# Altium PCB Controller_4Layers.PcbDoc (part 1 of 2) (continued)
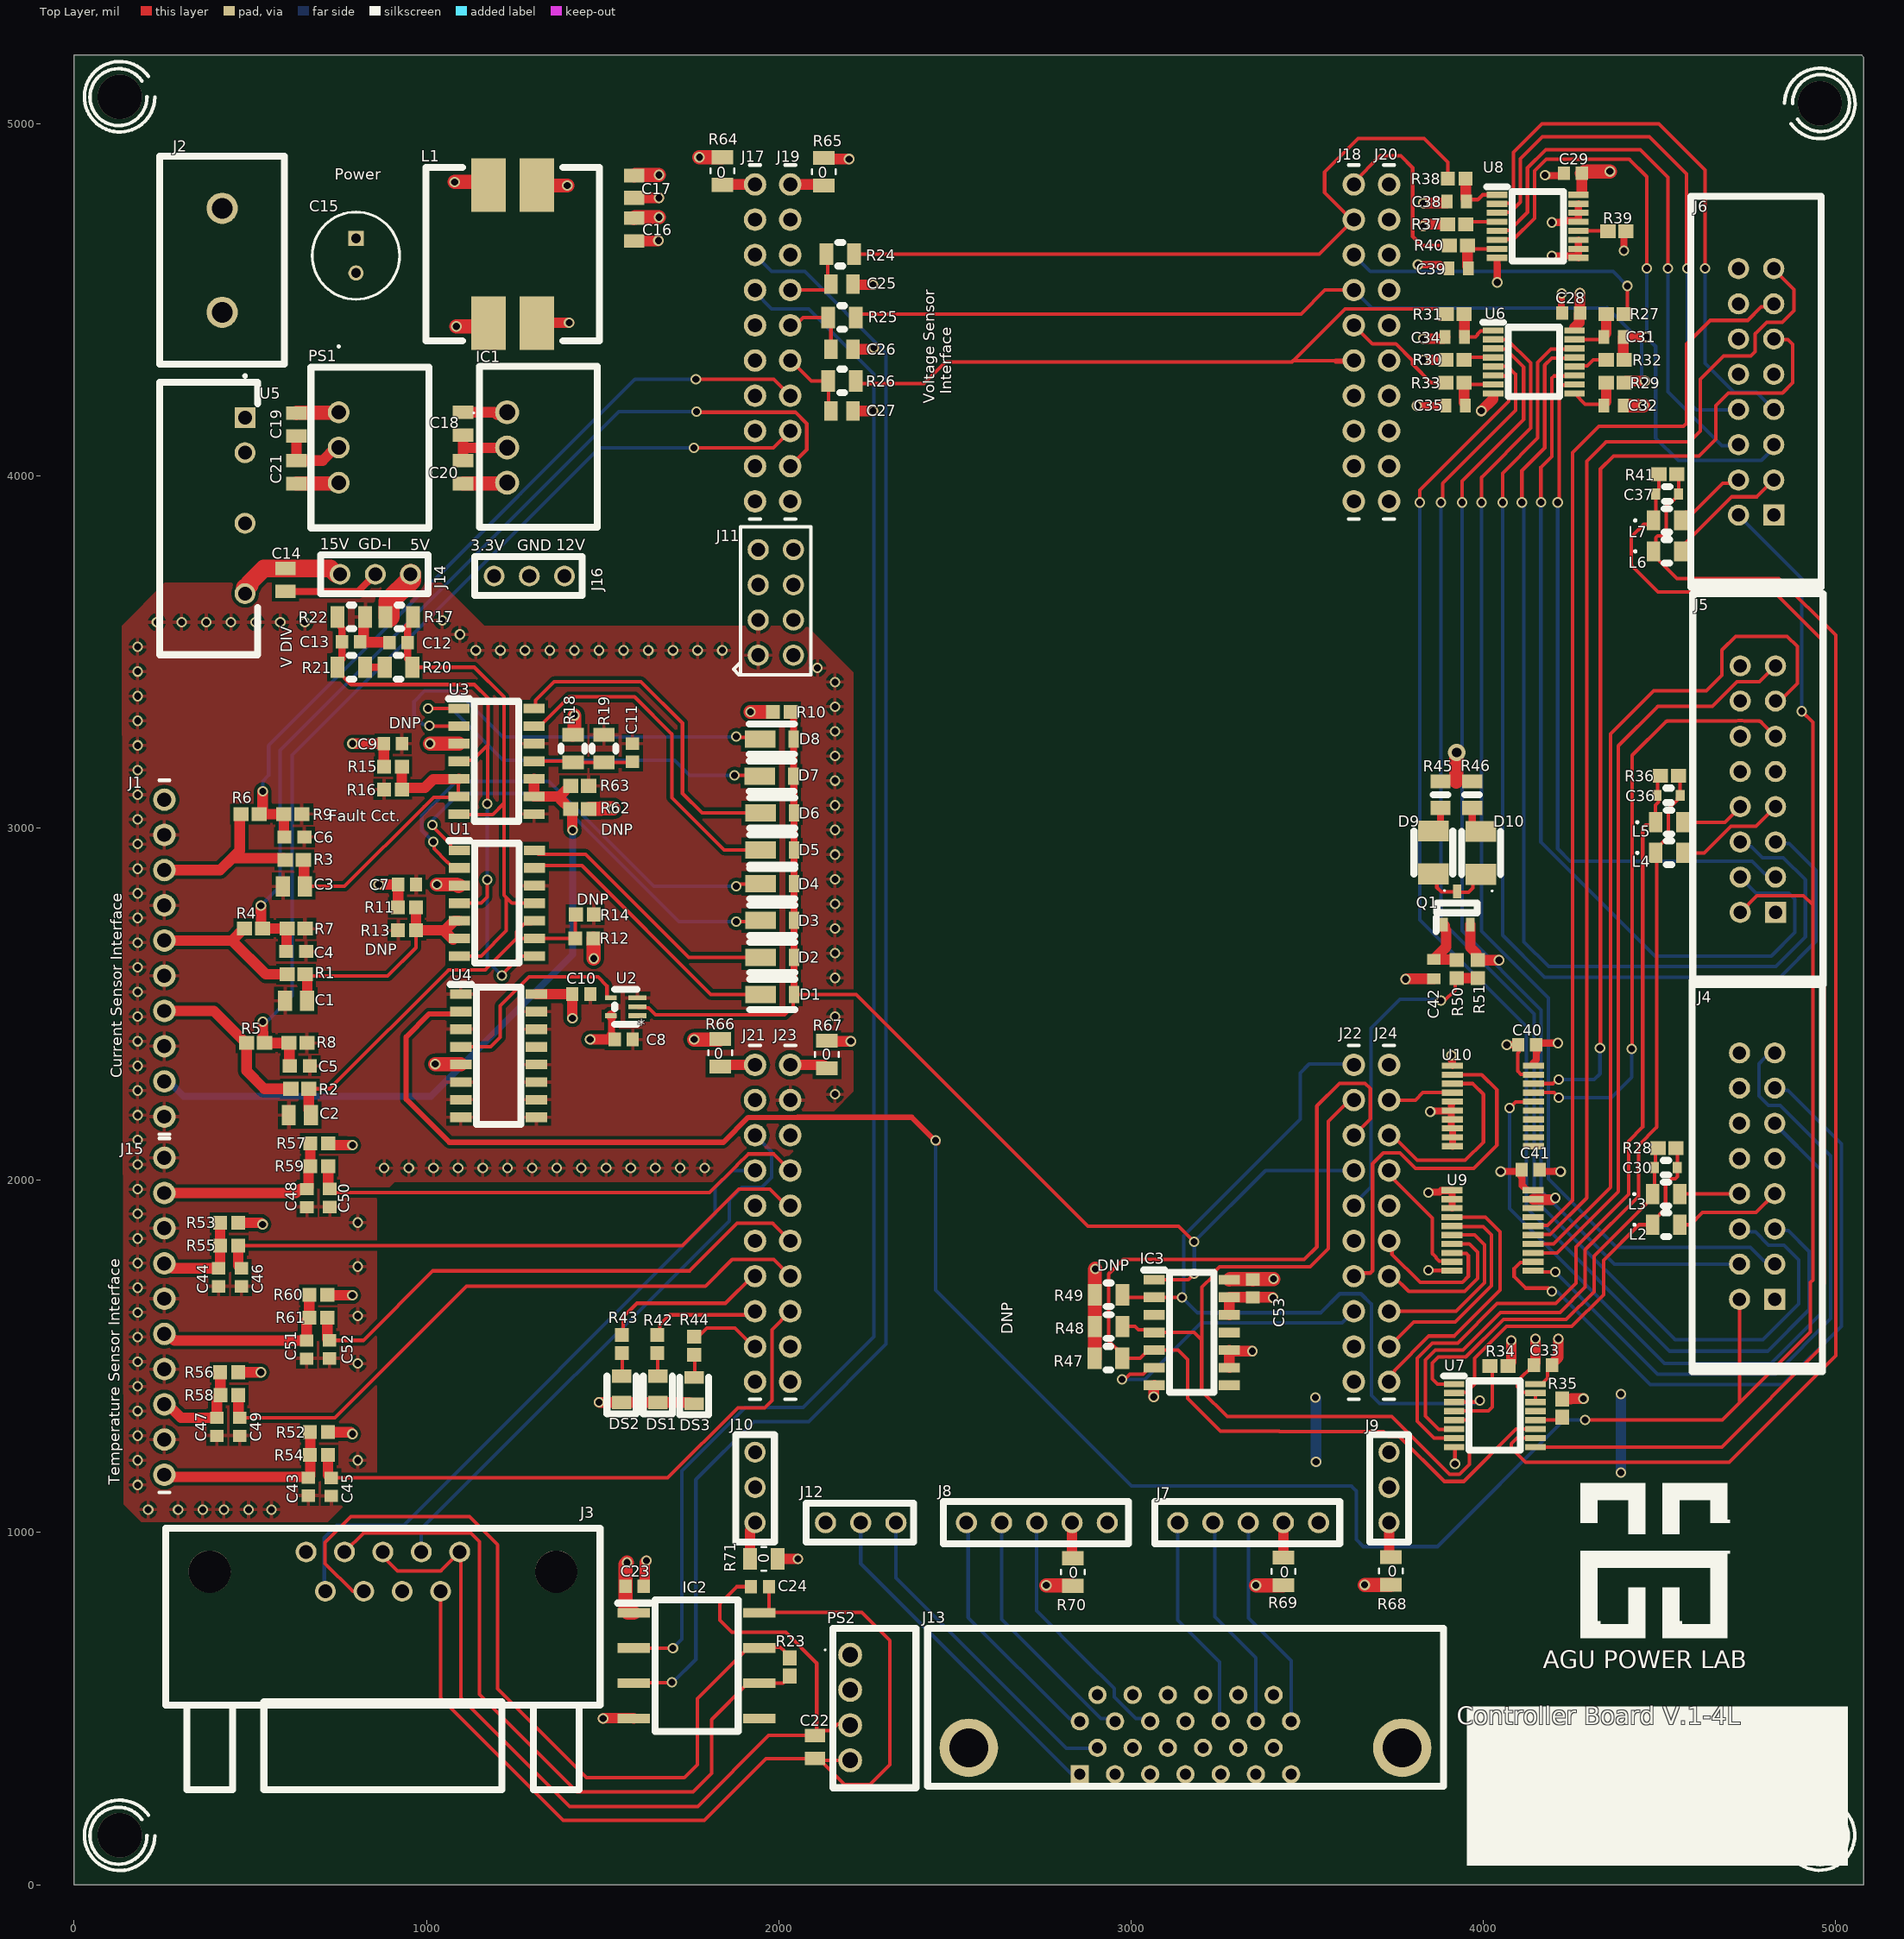
[diagram p0: Top Layer view]
## Part data
C1 C2 C3: "Capacitor", Manufacturer_Name=Kemet, Mouser Part Number=80-C0805C333K1RECAUT, Arrow Part Number=C0805C333K1RECAUTO, Arrow Price/Stock=https://www.arrow.com/en/products/c0805c333k1recauto/kemet-corporation, Datasheet Link=https://www.mouser.com/datasheet/2/212/KEM_C1090_X7R_ESD-1103328.pdf, Height=1.1mm, Manufacturer_Part_Number=C0805C333K1RECAUTO, Mouser Price/Stock=https://www.mouser.co.uk/ProductDetail/KEMET/C0805C333K1RECAUTO?qs=MLItCLRbWsxom6VmSobfew%3D%3D
C4 C5 C6 D1 D2 D3 D4 D5 D6 D7 D8 J3 J4 J5 J6 L3 L5 L7: "No Description Available", Copyright="Copyright (C) 2018 Accelerated Designs. All rights reserved", RefDes=RefDes, Type=DEV
  C4 C5 C6: Built_By=EMA_Frank, Manufacturer_Part_Number=C0603C103K3RACAUTO, Source_Library=Kemet_2020-03-25_2.xlr, SourceLibrary=Kemet_2020-03-25_2a, Vendor=Kemet
  D1 D2 D3 D4 D5 D6 D7 D8: Built_By=EMA_Cory, Datasheet=https://www.diodes.com/assets/Datasheets/ds30602.pdf, Manufacturer_Part_Number=DFLR1200, SourceLibrary=Add_to_database_2020-12-23, Vendor="Diodes Inc"
  J3: Built_By=EMA_Cory, Datasheet=http://www.assmann-wsw.com/uploads/datasheets/ASS_4888_CO.pdf, Manufacturer_Part_Number=A-DS-09-A/KG-T2S, SourceLibrary=Update_to_database_2021-01-13, Vendor=Assmann
  J4 J5 J6: Built_By=EMA_UL_Team, Manufacturer_Part_Number=1761606-6, SourceLibrary=Amp_2012-01-01, Supplier 1=Avnet, Supplier Part Number 1=1761606-6, Vendor="TE Connectivity"
  L3 L5 L7: Built_By=EMA_UL_Team, Manufacturer_Part_Number=MLZ2012N1R0LT000, SourceLibrary=TDK_2015_05_22, Supplier 1="Arrow Electronics", Supplier Part Number 1=MLZ2012N1R0LT000, Vendor=TDK
C7 C8 C9 C10 C11 C12 C13 C23 C24 C33 C40 C41 C53: library part C0603C104K3RACTU, "Capacitor", Manufacturer_Name=Kemet, Mouser Part Number=80-C0603C104K3R, Arrow Part Number=C0603C104K3RACTU, Arrow Price/Stock=https://www.arrow.com/en/products/c0603c104k3ractu/kemet-corporation, Datasheet Link=https://content.kemet.com/datasheets/KEM_C1002_X7R_SMD.pdf, Height=0.95mm, Manufacturer_Part_Number=C0603C104K3RACTU, Mouser Price/Stock=https://www.mouser.co.uk/ProductDetail/KEMET/C0603C104K3RACTU?qs=l5k%252BbMnNDklvfdneglCDAg%3D%3D
C14 C16 C18 C19 C20 C21 C22: library part GRM21BC71E106KE11L, "Capacitor", Manufacturer_Name="Murata Electronics", Mouser Part Number=81-GRM21BC71E106KE1L, Arrow Part Number=GRM21BC71E106KE11L, Arrow Price/Stock=https://www.arrow.com/en/products/grm21bc71e106ke11l/murata-manufacturing, Datasheet Link=https://psearch.en.murata.com/capacitor/product/GRM21BC71E106KE11%23.html, Height=1.45mm, Manufacturer_Part_Number=GRM21BC71E106KE11L, Mouser Price/Stock=https://www.mouser.co.uk/ProductDetail/Murata-Electronics/GRM21BC71E106KE11L?qs=K0Sa7bCb58LrYXYsv2LNmQ%3D%3D
C15: library part UPW1H470MED, "Capacitor Polarised", Manufacturer_Name=Nichicon, Mouser Part Number=647-UPW1H470MED, Arrow Part Number=UPW1H470MED, Arrow Price/Stock=https://www.arrow.com/en/products/upw1h470med/nichicon, Datasheet Link=https://componentsearchengine.com/Datasheets/1/UPW1H470MED.pdf, Height=12.5mm, Manufacturer_Part_Number=UPW1H470MED, Mouser Price/Stock=https://www.mouser.co.uk/ProductDetail/Nichicon/UPW1H470MED/?qs=anB8x51WyfqvWEoNgBXxIw%3D%3D
C17: library part C0805C333K1RECAUTO, "Capacitor", Manufacturer_Name=Kemet, Mouser Part Number=80-C0805C333K1RECAUT, Arrow Part Number=C0805C333K1RECAUTO, Arrow Price/Stock=https://www.arrow.com/en/products/c0805c333k1recauto/kemet-corporation, Datasheet Link=https://www.mouser.com/datasheet/2/212/KEM_C1090_X7R_ESD-1103328.pdf, Height=1.1mm, Manufacturer_Part_Number=C0805C333K1RECAUTO, Mouser Price/Stock=https://www.mouser.co.uk/ProductDetail/KEMET/C0805C333K1RECAUTO?qs=MLItCLRbWsxom6VmSobfew%3D%3D
C25 C26 C27: library part CC0805KRX7R9BB223, "Capacitor", Manufacturer_Name="YAGEO (PHYCOMP)", Mouser Part Number=603-CC805KRX7R9BB223, Arrow Part Number=CC0805KRX7R9BB223, Arrow Price/Stock=https://www.arrow.com/en/products/cc0805krx7r9bb223/yageo, Datasheet Link=http://www.yageo.com/documents/recent/UPY-GPHC_X7R_6.3V-to-50V_18.pdf, Height=0.7mm, Manufacturer_Part_Number=CC0805KRX7R9BB223, Mouser Price/Stock=https://www.mouser.com/Search/Refine.aspx?Keyword=603-CC805KRX7R9BB223
C28 C29: "Capacitor", Manufacturer_Name=Kemet, Mouser Part Number=80-C0603C104K3R, Arrow Part Number=C0603C104K3RACTU, Arrow Price/Stock=https://www.arrow.com/en/products/c0603c104k3ractu/kemet-corporation, Datasheet Link=https://content.kemet.com/datasheets/KEM_C1002_X7R_SMD.pdf, Height=0.95mm, Manufacturer_Part_Number=C0603C104K3RACTU, Mouser Price/Stock=https://www.mouser.co.uk/ProductDetail/KEMET/C0603C104K3RACTU?qs=l5k%252BbMnNDklvfdneglCDAg%3D%3D
C30 C36 C37: library part CL10C270JB8NNNC, "No Description Available", Built_By=EMA_Rocco, Copyright="Copyright (C) 2018 Accelerated Designs. All rights reserved", Manufacturer_Part_Number=CL10C270JB8NNNC, RefDes=RefDes, SourceLibrary=Samsung_2019-08-29, Type=DEV, Vendor=Samsung
C31 C32 C34 C35 C38 C39 C42: "Capacitor", Manufacturer_Name="Samsung Electro-Mechanics", Datasheet Link=https://lcsc.componentsearchengine.com/Datasheets/2/CL10C101JB8NNNC.pdf, Height=0.9mm, Manufacturer_Part_Number=CL10C101JB8NNNC
  C34 C38 C42: Supplier 1="Arrow Electronics", Supplier Part Number 1=CL10C101JB8NNNC
C43 C44 C45 C46 C47 C48 C49 C50 C51 C52: library part C0603X104J5RACTU, "Capacitor", Manufacturer_Name=Kemet, Mouser Part Number=80-C0603X104J5R, Arrow Part Number=C0603X104J5RACTU, Arrow Price/Stock=https://www.arrow.com/en/products/c0603x104j5ractu/kemet-corporation, Datasheet Link=https://api.kemet.com/component-edge/download/datasheet/C0603X104J5RACTU.pdf, Height=0.95mm, Manufacturer_Part_Number=C0603X104J5RACTU, Mouser Price/Stock=https://www.mouser.com/Search/Refine.aspx?Keyword=80-C0603X104J5R
D9 D10: "LED", Arrow Part Number=AA3528VRVFS/A, Manufacturer_Name=Kingbright, Mouser Part Number=604-AA3528VRVFS/A, Arrow Price/Stock=https://www.arrow.com/en/products/aa3528vrvfsa/kingbright, Datasheet Link=https://mouser.componentsearchengine.com/Datasheets/1/AA3528VRVFS_A.pdf, Height=2.1mm, Manufacturer_Part_Number=AA3528VRVFS/A, Mouser Price/Stock=https://www.mouser.co.uk/ProductDetail/Kingbright/AA3528VRVFS-A?qs=rY7msk5yxfb63mh907EyRA%3D%3D
DS1: "LED", Manufacturer_Name=Lite-On, Mouser Part Number=859-LTST-C171KSKT, Arrow Part Number=LTST-C171KSKT, Arrow Price/Stock=https://www.arrow.com/en/products/ltst-c171kskt/lite-on-technology, Datasheet Link=https://componentsearchengine.com/Datasheets/1/LTST-C171KSKT.pdf, Height=0.9mm, Manufacturer_Part_Number=LTST-C171KSKT, Mouser Price/Stock=https://www.mouser.co.uk/ProductDetail/Lite-On/LTST-C171KSKT?qs=llMtm9xcdM0CwR1bByTaUQ%3D%3D
DS2: "LED", Arrow Part Number="LH R974-LP-1", Manufacturer_Name=OSRAM, Mouser Part Number=720-LHR974-LP-1, Arrow Price/Stock=https://www.arrow.com/en/products/lhr974-lp-1/osram-opto-semiconductors, Datasheet Link="https://componentsearchengine.com/Datasheets/1/LH R974-LP-1.pdf", Height=0.9mm, Manufacturer_Part_Number="LH R974-LP-1", Mouser Price/Stock=https://www.mouser.co.uk/ProductDetail/OSRAM-Opto-Semiconductors/LH-R974-LP-1?qs=LsPilcdHE7GU7OJxbROzng%3D%3D
DS3: "LED", Arrow Part Number="LG R971-KN-1", Manufacturer_Name=OSRAM, Mouser Part Number=720-LGR971-KN-1, Arrow Price/Stock=https://www.arrow.com/en/products/lgr971-kn-1/osram-opto-semiconductors, Datasheet Link="http://www.mouser.com/ds/2/311/LG R971 - CHIPLED 0805-318376.pdf", Height=0.8mm, Manufacturer_Part_Number="LG R971-KN-1", Mouser Price/Stock=https://www.mouser.co.uk/ProductDetail/OSRAM-Opto-Semiconductors/LG-R971-KN-1?qs=LsPilcdHE7EX1EB7GCLHxg%3D%3D
IC1: "Integrated Circuit", Manufacturer_Name="RECOM Power", Mouser Part Number=919-R-78E3.3-1.0, Arrow Part Number=R-78E3.3-1.0, Arrow Price/Stock=https://www.arrow.com/en/products/r-78e3.3-1.0/recom-power, Datasheet Link=https://componentsearchengine.com/Datasheets/1/R-78E3.3-1.0.pdf, Height=10.9mm, Manufacturer_Part_Number=R-78E3.3-1.0, Mouser Price/Stock=https://www.mouser.co.uk/ProductDetail/RECOM-Power/R-78E33-10/?qs=D0iH%252BVFiYPOgLjjtWWnV0Q%3D%3D
IC2: "Integrated Circuit", Manufacturer_Name="Texas Instruments", Mouser Part Number=595-ISO1050DUBR, Arrow Part Number=ISO1050DUBR, Arrow Price/Stock=https://www.arrow.com/en/products/iso1050dubr/texas-instruments, Datasheet Link=http://www.ti.com/lit/ds/symlink/iso1050.pdf, Height=4.85mm, Manufacturer_Part_Number=ISO1050DUBR, Mouser Price/Stock=https://www.mouser.co.uk/ProductDetail/Texas-Instruments/ISO1050DUBR?qs=IK5e5L0zOXhhp9hdAolE%252BA%3D%3D
IC3: "Integrated Circuit", Arrow Part Number=74HC21D(BJ), Manufacturer_Name=Toshiba, Mouser Part Number=757-74HC21DBJ, Arrow Price/Stock=https://www.arrow.com/en/products/74hc21d-bj/toshiba, Datasheet Link=http://toshiba.semicon-storage.com/info/docget.jsp?did=37140&prodName=74HC21D, Height=1.75mm, Manufacturer_Part_Number=74HC21D(BJ), Mouser Price/Stock=https://www.mouser.co.uk/ProductDetail/Toshiba/74HC21DBJ/?qs=lQAVKuKFhkIbgMuwKfdO9g%3D%3D
J1 J15 J17 J18 J19 J20 J21 J22 J23 J24: library part 1009002200006, "Connector,Pin Socket,Straight,Female,1x10Pin,2.54MM pitch,8.5,3.2,Gold Flash 1u,black,DIP", Manufacturer=MTCONN, Embest PN=1009002200006, Manufacturer Part Number=FH2543-10GT10, Part Type="Pin Socket"
J2: "Connector", Manufacturer_Name="TE Connectivity", Mouser Part Number=571-282844-2, Arrow Part Number=282844-2, Arrow Price/Stock=https://www.arrow.com/en/products/282844-2/te-connectivity, Datasheet Link=https://componentsearchengine.com/Datasheets/2/282844-2.pdf, Height=15.2mm, Manufacturer_Part_Number=282844-2, Mouser Price/Stock=https://www.mouser.co.uk/ProductDetail/TE-Connectivity-AMP/282844-2?qs=gdajpSf3VLeviVN6hiKaSg%3D%3D
J7 J8: library part Component_1
J13: "Connector", Manufacturer_Name=3M, Mouser Part Number=517-10226-55G3PC, Supplier Part Number 1=7000007571, Arrow Part Number=10226-55G3PC, Arrow Price/Stock=https://www.arrow.com/en/products/10226-55g3pc/3m, Datasheet Link=http://multimedia.3m.com/mws/media/22348O/3mtm-mdr-050-bm-thru-hole-ra-receptacle-shielded-ts0621.pdf, Height=9.4mm, Manufacturer_Part_Number=10226-55G3PC, Mouser Price/Stock=https://www.mouser.co.uk/ProductDetail/3M-Electronic-Solutions-Division/10226-55G3PC?qs=9ksnFUyBSYxAdorQqLLnHA%3D%3D, Supplier 1=Avnet
L1: "Inductor", Manufacturer_Name="Wurth Elektronik", Mouser Part Number=710-744282010, Manufacturer_Part_Number=744282010, Mouser Price/Stock=https://www.mouser.co.uk/ProductDetail/Wurth-Elektronik/744282010?qs=c50eh9DPO4PZUn%2FpIKDQTg%3D%3D
L2 L4 L6: library part MLZ2012N1R0LT000, "No Description Available", Built_By=EMA_UL_Team, Copyright="Copyright (C) 2018 Accelerated Designs. All rights reserved", Manufacturer_Part_Number=MLZ2012N1R0LT000, RefDes=RefDes, SourceLibrary=TDK_2015_05_22, Supplier 1="Arrow Electronics", Supplier Part Number 1=MLZ2012N1R0LT000, Type=DEV, Vendor=TDK
PS1: "Power Supply", Manufacturer_Name="RECOM Power", Mouser Part Number=919-R-78E5.0-1.0, Arrow Part Number=R-78E5.0-1.0, Arrow Price/Stock=https://www.arrow.com/en/products/r-78e5.0-1.0/recom-power, Datasheet Link=http://www.recom-power.com/pdf/Innoline/R-78Exx-1.0.pdf, Height=10.4mm, Manufacturer_Part_Number=R-78E5.0-1.0, Mouser Price/Stock=https://www.mouser.co.uk/ProductDetail/RECOM-Power/R-78E50-10/?qs=T0XSgvH75d4EsZCU9I5HVA%3D%3D
PS2: "Power Supply", Manufacturer_Name="RECOM Power", Mouser Part Number=919-RFM-0505S, Arrow Part Number=RFM-0505S, Arrow Price/Stock=https://www.arrow.com/en/products/rfm-0505s/recom-power, Datasheet Link=https://www.recom-power.com/pdf/Econoline/RFM.pdf, Height=10.5mm, Manufacturer_Part_Number=RFM-0505S, Mouser Price/Stock=https://www.mouser.co.uk/ProductDetail/RECOM-Power/RFM-0505S/?qs=lYGu3FyN48dRVYKTH5ipqg%3D%3D
Q1: "MOSFET (N-Channel)", Manufacturer_Name="ON Semiconductor", Mouser Part Number=512-BSS138L, Supplier Part Number 1=BSS138LT1G, Arrow Part Number=BSS138L, Arrow Price/Stock=https://www.arrow.com/en/products/bss138l/on-semiconductor, Datasheet Link=https://www.onsemi.com/products/discretes-drivers/mosfets/bss138l, Height=1.11mm, Manufacturer_Part_Number=BSS138L, Mouser Price/Stock=https://www.mouser.co.uk/ProductDetail/ON-Semiconductor-Fairchild/BSS138L?qs=C8E66ftkQtxfAHmiWaRE%252Bg%3D%3D, Supplier 1=Avnet
R1 R2 R3: "Resistor", Manufacturer_Name="TE Connectivity", Mouser Part Number=279-CRG0603F1K0, Arrow Part Number=CRG0603F1K0, Arrow Price/Stock=https://www.arrow.com/en/products/crg0603f1k0/te-connectivity, Datasheet Link=http://docs-europe.electrocomponents.com/webdocs/13d1/0900766b813d116f.pdf, Height=0.55mm, Manufacturer_Part_Number=CRG0603F1K0, Mouser Price/Stock=https://www.mouser.com/Search/Refine.aspx?Keyword=279-CRG0603F1K0
R4 R5 R6 R7 R8 R9: "Resistor", Manufacturer_Name="Stackpole Electronics Inc.", Datasheet Link=https://www.seielect.com/Catalog/SEI-RMCF_RMCP.pdf, Height=0.55mm
  R4 R5 R6: Manufacturer_Part_Number=RMCF0603FT4K99
  R7 R8 R9: Arrow Part Number=RMCF0603FT7K50, Arrow Price/Stock=https://www.arrow.com/en/products/rmcf0603ft7k50/stackpole-electronics, Manufacturer_Part_Number=RMCF0603FT7K50
R10 R11 R12 R13 R14 R15 R16 R62 R63: library part RC0603FR-072KL, "Resistor", Manufacturer_Name="YAGEO (PHYCOMP)", Mouser Part Number=603-RC0603FR-072KL, Arrow Part Number=RC0603FR-072KL, Arrow Price/Stock=https://www.arrow.com/en/products/rc0603fr-072kl/yageo, Datasheet Link=http://www.yageo.com/documents/recent/PYu-RC0603_51_RoHS_L_v5.pdf, Height=0.55mm, Manufacturer_Part_Number=RC0603FR-072KL, Mouser Price/Stock=https://www.mouser.co.uk/ProductDetail/Yageo/RC0603FR-072KL?qs=diQw95jMAePdEfSTIJQNsQ%3D%3D
R17 R18 R19: library part RN73C2A1K24BTG, Built_By=EMA_UL_Team, Copyright="Copyright (C) 2018 Accelerated Designs. All rights reserved", Manufacturer_Part_Number=RN73C2A1K24BTG, RefDes=RefDes, SourceLibrary=Tyco_2012-01-01_RN73_D, Type=DEV, Vendor="TE Connectivity"
R20 R21 R22: library part RN73C2A1K24BTG, "No Description Available", Built_By=EMA_UL_Team, Copyright="Copyright (C) 2018 Accelerated Designs. All rights reserved", Manufacturer_Part_Number=RN73C2A1K24BTG, RefDes=RefDes, SourceLibrary=Tyco_2012-01-01_RN73_D, Type=DEV, Vendor="TE Connectivity"
R23 R52 R53 R56 R57 R60: library part MCR03ERTF1002, "Resistor", Manufacturer_Name="ROHM Semiconductor", Datasheet Link=http://docs-emea.rs-online.com/webdocs/1471/0900766b814716e9.pdf, Height=0.55mm, Manufacturer_Part_Number=MCR03ERTF1002
R24 R25 R26 R47 R48 R49 R64 R65 R66 R67 R68 R69 R70 R71: library part RN73C2A1K24BTG, "1.24K ohm 0805", Built_By=EMA_UL_Team, Copyright="Copyright (C) 2018 Accelerated Designs. All rights reserved", Manufacturer_Part_Number=RN73C2A1K24BTG, RefDes=RefDes, SourceLibrary=Tyco_2012-01-01_RN73_D, Type=DEV, Vendor="TE Connectivity"
R27 R29 R31 R33 R38 R40 R50: "Resistor", Manufacturer_Name="YAGEO (PHYCOMP)", Mouser Part Number=603-RC0603JR-07120RL, Arrow Part Number=RC0603JR-07120RL, Arrow Price/Stock=https://www.arrow.com/en/products/rc0603jr-07120rl/yageo, Datasheet Link=http://www.yageo.com/documents/recent/PYu-RC0603_51_RoHS_L_v5.pdf, Height=0.55mm, Manufacturer_Part_Number=RC0603JR-07120RL, Mouser Price/Stock=https://www.mouser.com/Search/Refine.aspx?Keyword=603-RC0603JR-07120RL
  R27 R29 R33 R40: Supplier 1=Avnet, Supplier Part Number 1=RC0603JR-07120RL
R28 R36 R41: library part RC0603FR-07100RL, "Resistor", Manufacturer_Name="YAGEO (PHYCOMP)", Mouser Part Number=603-RC0603FR-07100RL, Arrow Part Number=RC0603FR-07100RL, Arrow Price/Stock=https://www.arrow.com/en/products/rc0603fr-07100rl/yageo, Datasheet Link=http://www.yageo.com/documents/recent/PYu-RC0603_51_RoHS_L_v5.pdf, Height=0.55mm, Manufacturer_Part_Number=RC0603FR-07100RL, Mouser Price/Stock=https://www.mouser.co.uk/ProductDetail/Yageo/RC0603FR-07100RL?qs=NEN%2FsE%2FLsvPIwIWKCOS4%2FA%3D%3D
R30 R32 R37 R39: "Resistor", Manufacturer_Name="YAGEO (PHYCOMP)", Mouser Part Number=603-RC0603JR-0715KL, Arrow Part Number=RC0603JR-0715KL, Arrow Price/Stock=https://www.arrow.com/en/products/rc0603jr-0715kl/yageo, Datasheet Link=http://www.yageo.com/documents/recent/PYu-RC0603_51_RoHS_L_v5.pdf, Height=0.55mm, Manufacturer_Part_Number=RC0603JR-0715KL, Mouser Price/Stock=https://www.mouser.co.uk/ProductDetail/Yageo/RC0603JR-0715KL?qs=%2F9ZTgpVJnN5Hjv3bbwwkqQ%3D%3D
R34 R35: library part RC0603JR-0715KL, "Resistor", Manufacturer_Name="YAGEO (PHYCOMP)", Mouser Part Number=603-RC0603JR-0715KL, Arrow Part Number=RC0603JR-0715KL, Arrow Price/Stock=https://www.arrow.com/en/products/rc0603jr-0715kl/yageo, Datasheet Link=http://www.yageo.com/documents/recent/PYu-RC0603_51_RoHS_L_v5.pdf, Height=0.55mm, Manufacturer_Part_Number=RC0603JR-0715KL, Mouser Price/Stock=https://www.mouser.co.uk/ProductDetail/Yageo/RC0603JR-0715KL?qs=%2F9ZTgpVJnN5Hjv3bbwwkqQ%3D%3D
R42 R43 R44: "Resistor", Manufacturer_Name="YAGEO (PHYCOMP)", Mouser Part Number=603-RC0603FR-07680RL, Datasheet Link=http://www.yageo.com/documents/recent/PYu-RC0603_51_RoHS_L_v5.pdf, Height=0.55mm, Manufacturer_Part_Number=RC0603FR-07680RL, Mouser Price/Stock=https://www.mouser.co.uk/ProductDetail/Yageo/RC0603FR-07680RL?qs=2cAdsCoAWRH4RP9ApRPkoA%3D%3D
R45 R46 R51: "Resistor", Manufacturer_Name="ROHM Semiconductor"
  R45 R46: Datasheet Link=http://rohmfs.rohm.com/en/products/databook/datasheet/passive/resistor/chip_resistor/ktr.pdf, Height=0.65mm, Manufacturer_Part_Number=KTR10EZPF1801
  R51: Datasheet Link=http://docs-emea.rs-online.com/webdocs/1471/0900766b814716e9.pdf, Height=0.55mm, Manufacturer_Part_Number=MCR03ERTF1002
R54 R55 R58 R59 R61: library part RMCF0603FG1K00, "Resistor", Manufacturer_Name="Stackpole Electronics Inc.", Datasheet Link=https://www.seielect.com/Catalog/SEI-RMCF_RMCP.pdf, Height=0.55mm, Manufacturer_Part_Number=RMCF0603FG1K00
U1 U3: "Integrated Circuit", Manufacturer_Name=STMicroelectronics, Mouser Part Number=511-LM339DT, Supplier Part Number 1=LM339DTBR2G, Arrow Part Number=LM339DT, Arrow Price/Stock=https://www.arrow.com/en/products/lm339dt/stmicroelectronics, Datasheet Link=http://www.st.com/st-web-ui/static/active/en/resource/technical/document/datasheet/CD00000460.pdf, Height=1.75mm, Manufacturer_Part_Number=LM339DT, Mouser Price/Stock=https://www.mouser.co.uk/ProductDetail/STMicroelectronics/LM339DT?qs=8q6yV%252BexmWU1LP6UrPvZEQ%3D%3D, Supplier 1=Avnet
U2: library part 74AHC1G14GW, "No Description Available", Built_By=EMA_UL_Team, Copyright="Copyright (C) 2018 Accelerated Designs. All rights reserved", Manufacturer_Part_Number=74AHC1G14GW, RefDes=RefDes, SourceLibrary=NXP_2011-11-10, Type=DEV, Vendor=NXP
U4: "Integrated Circuit", Manufacturer_Name=Nexperia, Mouser Part Number=771-HEF4043BT652, Arrow Part Number=HEF4043BT,652, Arrow Price/Stock=https://www.arrow.com/en/products/hef4043bt652/nexperia, Datasheet Link=https://assets.nexperia.com/documents/data-sheet/HEF4043B.pdf, Height=1.75mm, Manufacturer_Part_Number=HEF4043BT,652, Mouser Price/Stock=https://www.mouser.com/Search/Refine.aspx?Keyword=771-HEF4043BT652
U5: Package=None, Availability=Unavailable, MP=PDM2-S12-S15-S, Price=None
U6 U8: "Integrated Circuit", Manufacturer_Name="Texas Instruments", Mouser Part Number=595-AM26LV31EIPWR, Arrow Part Number=AM26LV31EIPWR, Arrow Price/Stock=https://www.arrow.com/en/products/am26lv31eipwr/texas-instruments, Datasheet Link=http://www.ti.com/lit/gpn/am26lv31e, Height=1.2mm, Manufacturer_Part_Number=AM26LV31EIPWR, Mouser Price/Stock=https://www.mouser.co.uk/ProductDetail/Texas-Instruments/AM26LV31EIPWR?qs=iW8OfOTwbwMA51JqXL5WTA%3D%3D, Supplier 1="Arrow Electronics", Supplier Part Number 1=AM26LV31EIPWR
U7: "Integrated Circuit", Manufacturer_Name="Texas Instruments", Mouser Part Number=595-AM26LV32EIPWR, Arrow Part Number=AM26LV32EIPWR, Arrow Price/Stock=https://www.arrow.com/en/products/am26lv32eipwr/texas-instruments, Datasheet Link=http://www.ti.com/lit/gpn/am26lv32e, Height=1.2mm, Manufacturer_Part_Number=AM26LV32EIPWR, Mouser Price/Stock=https://www.mouser.co.uk/ProductDetail/Texas-Instruments/AM26LV32EIPWR?qs=iW8OfOTwbwMs71vWcC8tjQ%3D%3D, Supplier 1="Arrow Electronics", Supplier Part Number 1=AM26LV32EIPWR

## Via types
v1: diameter 30, hole 20, Top Layer to Int1 (GND), 133 vias
v2: diameter 29.53, hole 19.68, Top Layer to Bottom Layer, 54 vias
v3: diameter 30/30 (per signal layer), hole 20, Top Layer to Int2 (PWR), 40 vias
v4: diameter 125.98, hole 125.98, Top Layer to Bottom Layer, 4 vias
v5: diameter 50/50 (per signal layer), hole 28, Top Layer to Int2 (PWR), 1 vias

## Nets (pads, with @x,y where several pads share a name; then routed paths per layer and width w, separated by ;. In a path a pad name is that pad's centre, name@x,y a point inside that pad or via, vN(x,y) a via of type N, cw(c..) or ccw(c..) an arc to the next point about the centre after c; other vN are vias at no path point)
12V_P: C16.2 C17.2 C18.2 C19.2 IC1.1 J4.1 J5.1 J6.1 J16.1 L1.1 PS1.1 R45.2 R46.2 U5.1 | length 562.3
  Top Layer w30: C18.2@1104,4181.35 1193.65,4181.35 1200,4175 1223,4175 IC1.1@1229,4181
  Top Layer w40: C19.2@631,4178.68 631.91,4179.58 749.58,4179.58 PS1.1@751,4181 ; L1.1@1313.9,4825.87 1314.76,4825 v3(1400,4825) ; C16.2@1590,4732.68 1592.32,4735 v3(1660,4735) ; C17.2@1590,4852.99 1592.01,4855 v3(1660,4855) ; 3924,3132.4 3924,3214 v5(3925,3215)
12VN_BATT: C15.2 J2.2 L1.3 | length 94.9
  Top Layer w40: v3(1085,4425) 1166.97,4425 L1.3@1176.1,4434.13
12VP_BATT: C15.1 J2.1 L1.2 | length 104.7
  Top Layer w40: v3(1080,4835) 1155.24,4835 1170.24,4820 L1.2@1176.1,4825.87
15V: C14.1 J14.3 U5.6 | length 304.9
  Top Layer w50: U5.6@484.01,3683.32 491.62,3683.32 498.04,3689.74 498.04,3697.35 538.37,3737.68 C14.1@600,3737.68 727.71,3737.68 744.39,3721 J14.3@755,3721
+3V3: C8.2 C10.2 C20.2 C23.2 C28.2 C29.2 C33.2 C53.2 IC1.3 IC2.1 IC3.14 J13.10 J16.3 R10.1 R30.1 R34.2 R37.1 R47.1 R48.1 R49.1 R64.1 R66.1 R68.1 U2.5 U4.16 U6.16 U7.16 U8.16 | length 1855.7
  Top Layer w10: U7.16@4166.5,1422.36 4169.64,1422.36 4172.71,1425.42 4172.71,1428.56 4183.07,1438.93 4183.07,1462.48 C33.2@4195.59,1475
  Top Layer w20: C8.2@1525.5,2410.68 U2.5@1525.5,2465.91
  Top Layer w30: U4.16@1312.28,2529 C10.2@1414.18,2529 1414.18,2460.82 v3(1414.59,2460.41) ; v3(1465,2400) C8.2@1534.41,2400 1534.41,2401.77 C8.2@1525.5,2410.68 ; U2.5@1524,2467.41 U2.5@1525.5,2465.91 ; v3(3830,4330) R30.1@3894.41,4330 ; v3(3830,4710) 3835,4715 R37.1@3899.41,4715 ; R34.2@4070.59,1473 4070,1473.59 4080,1483.59 v3(4080,1545) ; C33.2@4194.5,1476.09 4193.41,1477.18 4213.41,1497.18 v3(4213.41,1550) ; U6.16@4259.67,4421.83 4273.07,4435.23 4273.07,4460.48 C28.2@4275.59,4463 4275,4463.59 v3(4275,4520) ; 4279.54,4807.98 4280.59,4809.03 C29.2@4280.59,4860
  Top Layer w40: C20.2@1104,3978.32 1104.91,3979.23 1227.23,3979.23 IC1.3@1229,3981 ; v3(1569.54,914.54) 1565,910 1565,847.41 C23.2@1565.41,847 1565,846.59 1565,778.22 1571.22,772 IC2.1@1588.85,772 ; v3(1760,2400) 1832.5,2400 R66.1@1834,2401.5 ; v3(1775,4905) 1839.75,4905 R64.1@1840,4905.25 ; v3(1920,3330) R10.1@1973.41,3330 ; R47.1@2897,1495 2897,1505.25 2897.75,1506 R48.1@2897.75,1585 R49.1@2897.75,1675 2897.5,1675.25 2897.5,1747.5 v3(2898.75,1748.75) ; IC3.14@3279.54,1718 3281.54,1720 C53.2@3347.41,1720 ; C53.2@3346,1718.59 C53.2@3347.41,1720 ; v3(3405,1720) C53.2@3347.41,1720 ; v3(3663.75,851.25) 3737.75,851.25 R68.1@3738,851.5 R68.1@3738.25,851.25 ; C29.2@4280.59,4860 4282.59,4858 4289.59,4865 v3(4360,4865)
+5: C7.1 C9.1 C21.2 C40.2 C41.2 J1.1 J13.12 J13.20 J14.1 PS1.3 PS2.2 R11.2 R12.2 R15.2 R17.1 R18.1 R52.2 R53.2 R56.2 R57.2 R60.2 R62.1 R65.2 R67.2 R69.1 R70.1 R71.1 U1.3 U3.3 U4.5 U9.20 U10.20 | length 1850.1
  Top Layer w20: v3(4050,2025) 4104.41,2025 C41.2@4107.41,2028 ; C41.2@4106.82,2012 4110.48,2008.34 4110.48,1986.19 ; 4111.42,1985.25 U9.20@4123.34,1973.34 ; U10.20@4143,2333.83 4151.07,2341.9 4151.07,2362.48 4153.59,2365 ; C40.2@4150.59,2370 C40.2@4150.59,2371.77 ; C40.2@4150.59,2376.77 C40.2@4153.11,2379.29 ; C40.2@4155.59,2390 v3(4212,2390)
  Top Layer w30: R56.2@465.59,1455 v3(530,1455) ; R53.2@465.59,1880 465.87,1879.72 530.28,1879.72 v3(535,1875) ; R60.2@718.59,1675 720.04,1673.55 v3(789.75,1673.55) ; R52.2@720.59,1285 720.87,1284.72 785.28,1284.72 v3(790,1280) ; R57.2@721.18,2105 725.87,2100.31 774.69,2100.31 775,2100 v3(790,2100) ; v3(790,3240) C9.1@879.41,3240 R15.2@879.41,3175 ; v3(864.51,2840) C7.1@919.41,2840 R11.2@919.41,2775 ; R71.1@1997.5,925 v3(2055,925) ; R65.2@2128,4903.25 2131.25,4900 v3(2200,4900) ; R67.2@2137,2397 2139,2395 v3(2205,2395)
  Top Layer w40: C21.2@631,3978.32 631.91,3979.23 749.23,3979.23 PS1.3@751,3981 ; v3(1010,3240) U3.3@1092.23,3240 ; v3(1025,2330) 1096.72,2330 U4.5@1097.72,2329 ; v3(1030,2840) 1086.23,2840 1091.23,2835 U1.3@1093.23,2837 ; R18.1@1416,3265.25 1415.25,3265.25 1415,3265.5 1420,3270.5 v3(1420,3320) ; R62.1@1462.24,3055.31 1494.67,3055.31 1495.36,3056 v3(1530.67,3056) ; R12.2@1474.18,2687 1475,2686.18 v3(1475,2630) ; v3(2760,850) 2833.5,850 R70.1@2835,848.5 ; v3(3355,850) 3432.5,850 R69.1@3433,850.5
  Top Layer w60: R17.1@894,3600.5 894,3644 955,3705 J14.1@955,3721
+5V-ISO: C22.2 C24.1 IC2.8 J3.9 PS2.4 | length 2769.1
  Top Layer w10: J3.9@1040.11,833 1040.11,530.89 1388,183 1789,183 1964.32,358.32 C22.2@2103,358.32 2112.84,358.32 C22.2@2118.16,353 ; IC2.8@1945.15,772 IC2.8@1963.81,772 ; C24.1@1972.59,846 1972.59,780.78 IC2.8@1963.81,772 ; PS2.4@2203,353 C22.2@2118.16,353 ; IC2.8@1963.81,772 1975,772 1976,773 2236,773 2316,693 2316,340.74 2259.26,284 2187.16,284 C22.2@2118.16,353
  Bottom Layer w20: PS2.4@2202.34,353.66 PS2.4@2203,353
ADCINA2/ANALOGIN: C4.2 J19.9 R4.2 R7.2 | length 2757.6
  Top Layer w10: v2(1767,4182.65) 1770.77,4182.65 1772.32,4181.11 2046.89,4181.11 2079.89,4148.11 2079.89,4074.89 J19.9@2033,4028
  Top Layer w30: v2(530,2780) 530,2757.74 530.47,2757.26 530.47,2719.53 R4.2@535,2715 R7.2@604.41,2715 602.88,2713.47 602.88,2651.53 C4.2@601.35,2650
  Bottom Layer w10: v2(530,2780) 585,2835 585,3221 1546.65,4182.65 v2(1767,4182.65) ; J19.9@2033,4028 2033,4012 2041,4004 2050.59,4013.59 J19.9@2053.72,4013.59
ADCINA3/ANALOGIN: C27.2 J19.6 R26.2 | length 225.2
  Top Layer w10: J19.6@2033,4328 2035.03,4328 2093.03,4270 2141.5,4270 2141.5,4192.4 C27.2@2152.18,4181.72
ADCINA5/ANALOGIN: C52.2 J23.6 R61.2 | length 1534.5
  Top Layer w10: C52.2@723.23,1545.59 C52.2@725,1545.59 820.59,1545.59 1018,1743 1747,1743 1882,1878 1983,1878 J23.6@2033,1828
  Top Layer w30: R61.2@718.59,1610 718.59,1550.23 C52.2@723.23,1545.59
ADCINB2/ANALOGIN: C5.2 J19.8 R5.2 R8.2 | length 2802.2
  Top Layer w10: v2(1760,4080) 1985,4080 J19.8@2033,4128
  Top Layer w30: v2(535.59,2450) 535.59,2420.51 536.06,2420.04 536.06,2394.53 R5.2@540.59,2390 R8.2@610,2390 610.97,2389.03 610.97,2325.97 C5.2@611.94,2325
  Bottom Layer w10: v2@535,2440 619,2524 619,3208 1491,4080 v2(1760,4080) ; J19.8@2033,4128 J19.8@2040,4128
ADCINB3/ANALOGIN: C26.2 J19.5 R25.2 | length 194.8
  Top Layer w10: J19.5@2033,4428 2047.55,4428 2069.55,4450 R25.2@2140.75,4450 ; R25.2@2141.5,4446 2148.55,4438.95 C26.2@2148.55,4371
ADCINB4/ANALOGIN: C45.2 J23.8 R54.2 | length 1686.6
  Top Layer w10: C45.2@728.23,1155 C45.2@730,1155 1685,1155 1884,1354 1960,1354 1981,1375 1981,1576 J23.8@2033,1628
  Top Layer w30: R54.2@720.59,1220 720.59,1162.64 C45.2@728.23,1155
ADCINB5/ANALOGIN: C46.2 J23.5 R55.2 | length 1723
  Top Layer w10: R55.2@465.59,1815 1726.93,1815 1886.82,1974.89 1975.11,1974.89 2022,1928 J23.5@2033,1928
  Top Layer w30: R55.2@465.59,1815 465.59,1757.64 473.23,1750 C46.2@475,1750
ADCINC2/ANALOGIN: C6.2 J19.7 R6.2 R9.2 | length 2271.3
  Top Layer w10: v2(1765,4275) 1986,4275 J19.7@2033,4228
  Top Layer w30: R6.2@525,3040 R6.2@526.97,3040 ; v2(535,3105) 535,3050 531.65,3046.65 531.65,3044.69 R6.2@526.97,3040 ; C6.2@596.35,2975 595.67,2975.67 595.67,3039.33 R9.2@595,3040 R6.2@526.97,3040
  Bottom Layer w10: v2(535,3105) 535,3132.99 552,3149.99 552,3230.86 cw(c562,3230.86) 554.93,3237.93 1260.37,3943.37 cw(c1267.44,3936.3) 1260.92,3943.88 ccw(c1229,3981) 1266.12,3949.08 cw(c1273.7,3942.56) 1266.63,3949.63 1589.05,4272.05 cw(c1596.14,4265) 1596.08,4275 1596.14,4275 v2(1765,4275)
ADCINC3/ANALOGIN: C25.2 J19.4 R24.2 | length 193.8
  Top Layer w10: J19.4@2033,4528 C25.2@2147.69,4528 ; R24.2@2138.9,4620 2138.9,4555 C25.2@2148.9,4545
ADCINC4/ANALOGIN: C49.2 J23.7 R58.2 | length 1835.3
  Top Layer w10: C49.2@470,1325.59 740.59,1325.59 1114,1699 1792,1699 1867.89,1774.89 1986.11,1774.89 J23.7@2033,1728
  Top Layer w30: R58.2@466.18,1390 466.18,1328.11 468.7,1325.59 C49.2@470,1325.59
ADCINC5/ANALOGIN: C50.2 J23.4 R59.2 | length 1444.2
  Top Layer w10: C50.2@725.59,1975.59 736.18,1965 1804,1965 1882,2043 1882,2043.31 1913.58,2074.89 1986.11,2074.89 J23.4@2033,2028
  Top Layer w30: R59.2@721.18,2040 721.18,1978.23 723.82,1975.59 C50.2@725.59,1975.59
CANA_RX: IC2.2 J17.4 | length 4504.7
  Top Layer w10: IC2.2@1588.85,672 v2(1700,672)
  Top Layer w20: J17.4@1930,4525 J17.4@1933,4528
  Bottom Layer w10: v2(1700,672) 1725,697 1725,1175 1905,1355 2069.14,1355 2270,1555.86 2270,4290 2085,4475 1980,4475 1933,4522 J17.4@1933,4528
CANA_TX: IC2.3 J17.3 | length 4724.9
  Top Layer w10: IC2.3@1588.85,572 1590.35,573.5 1695.5,573.5 v2(1697,575)
  Bottom Layer w10: v2(1697,575) 1700,575 1765,640 1765,1150 1930,1315 2085,1315 2305,1535 2305,4350 2073.89,4581.11 1979.89,4581.11 1941,4620 1930,4620 1933,4623 J17.3@1933,4628
CANBH: J12.1 J13.2 | length 930
  Bottom Layer w10: J12.1@2333,1028 2333,871 2816.86,387.14 2903.54,387.14 J13.2@2905,388.61
CANBL: J12.2 J13.1 | length 987.1
  Bottom Layer w10: J12.2@2233,1028 2233,912 2833,312 2853.59,312 J13.1@2855,313.41
GD_GND: C14.2 J14.2 | length 275.8
  Top Layer w19.84: C14.2@600,3672.32 600.77,3671.55 805.55,3671.55 J14.2@855,3721
GlobalFault: IC3.6 J22.8 | length 844.9
  Top Layer w10: v2(2975,1435) 2982.41,1435 2996.91,1449.5 3035.12,1449.5 3040.98,1455.36 3040.98,1459.22 3049.76,1468 IC3.6@3066,1468
  Bottom Layer w10: v2(2975,1435) 3039.43,1435 3199.43,1595 3600,1595 J22.8@3633,1628

## Text inside footprints (layer, text, board x,y; h text height)
R70: Mechanical 7 "0.057in/1.448mm" at 2847.5,499.75 h25 r90; Mechanical 7 "0.087in/2.21mm" at 2586.5,800.25 h25 r90; Mechanical 7 "Alt 2 Pad Style: EX90Y60D30P" at 3175.5,537.75 h50 r90; Mechanical 7 "Alt 1 Pad Style: OX60Y90D30P" at 3125.5,537.75 h50 r90; Mechanical 7 "Default Pad Style: RX39p5Y61D0T" at 3075.5,500.25 h50 r90
R71: Mechanical 7 "0.057in/1.448mm" at 2346.25,937.5 h25 r180; Mechanical 7 "0.087in/2.21mm" at 2045.75,676.5 h25 r180; Mechanical 7 "Alt 2 Pad Style: EX90Y60D30P" at 2308.25,1265.5 h50 r180; Mechanical 7 "Alt 1 Pad Style: OX60Y90D30P" at 2308.25,1215.5 h50 r180; Mechanical 7 "Default Pad Style: RX39p5Y61D0T" at 2345.75,1165.5 h50 r180
U2: Top Overlay "*" at 1621.5,2470.41 h31.5 r180; Mechanical 13 "*" at 1595,2490.41 h31.5 r180